# Altium PCB Lancelot.PcbDoc (part 6 of 14) (continued)
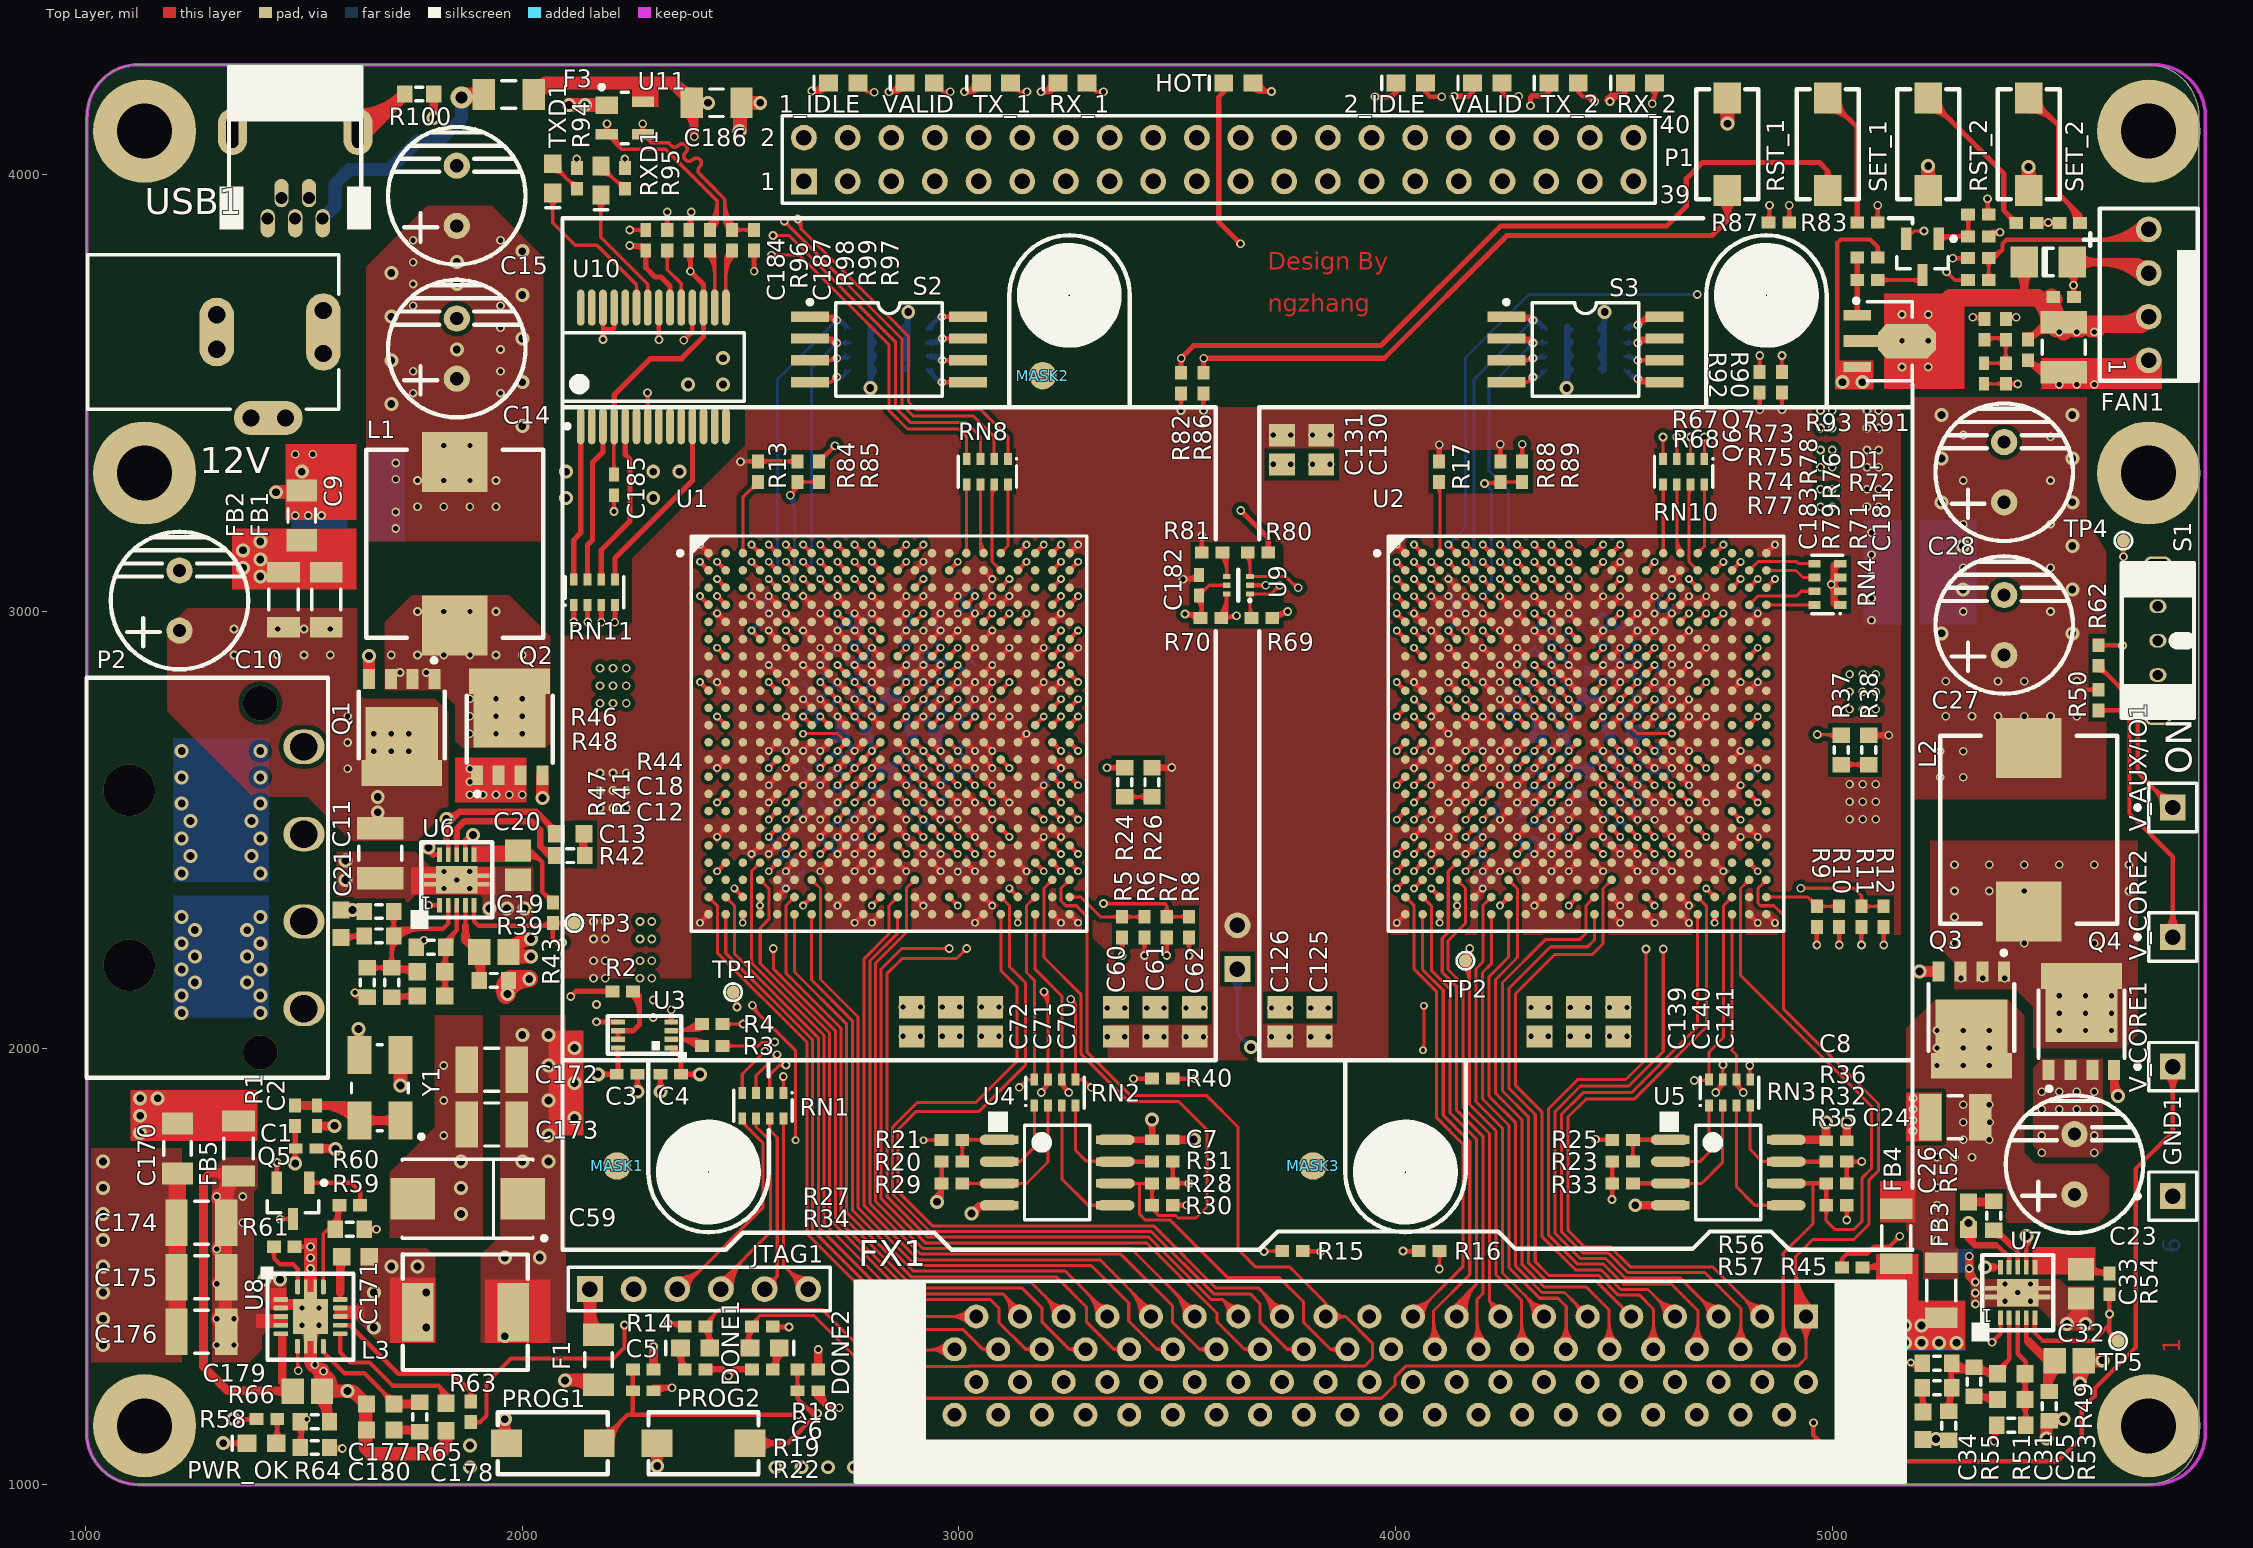
[diagram p0: Top Layer view]
## Nets (pads, with @x,y where several pads share a name; then routed paths per layer and width w, separated by ;. In a path a pad name is that pad's centre, name@x,y a point inside that pad or via, vN(x,y) a via of type N, cw(c..) or ccw(c..) an arc to the next point about the centre after c; other vN are vias at no path point) (continued)
cw(c2800.63,2824.45) 2807.46,2831.28 cw(c2814.29,2838.11) v1@2804.63,2838.11 ; v1(2800.63,2838.11) U1.J11@2820.32,2818.43 ; v1@2800.63,2873.48 cw(c2800.63,2863.82) 2807.46,2870.65 cw(c2814.29,2877.48) v1@2804.63,2877.48 ; v1(2800.63,2877.48) U1.H11@2820.32,2857.8 ; v1@2800.63,2912.85 cw(c2800.63,2903.19) 2807.46,2910.02 cw(c2814.29,2916.85) v1@2804.63,2916.85 ; v1(2800.63,2916.85) U1.G11@2820.32,2897.17 ; v1@2800.63,2991.59 cw(c2800.63,2981.93) 2807.46,2988.76 cw(c2814.29,2995.59) v1@2804.63,2995.59 ; v1(2800.63,2995.59) U1.E11@2820.32,2975.91 ; v1@2800.63,3030.96 cw(c2800.63,3021.3) 2807.46,3028.13 cw(c2814.29,3034.96) v1@2804.63,3034.96 ; v1(2800.63,3034.96) U1.D11@2820.32,3015.28 ; U1.AB11@2815.47,2306.61 cw(c2803.78,2306.61) 2812.05,2298.35 cw(c2820.32,2290.08) U1.AB11@2820.32,2301.77 ; U1.W11@2815.47,2424.72 cw(c2803.78,2424.72) 2812.05,2416.46 cw(c2820.32,2408.19) U1.W11@2820.32,2419.88 ; U1.V11@2815.47,2464.09 cw(c2803.78,2464.09) 2812.05,2455.83 cw(c2820.32,2447.56) U1.V11@2820.32,2459.25 ; U1.T11@2815.47,2542.83 cw(c2803.78,2542.83) 2812.05,2534.57 cw(c2820.32,2526.3) U1.T11@2820.32,2537.99 ; U1.R11@2815.47,2582.2 cw(c2803.78,2582.2) 2812.05,2573.94 cw(c2820.32,2565.67) U1.R11@2820.32,2577.36 ; U1.N11@2815.47,2660.95 cw(c2803.78,2660.95) 2812.05,2652.68 cw(c2820.32,2644.41) U1.N11@2820.32,2656.1 ; U1.L11@2815.47,2739.69 ccw(c2803.78,2739.69) 2812.05,2747.95 ccw(c2820.32,2756.22) U1.L11@2820.32,2744.53 ; U1.J11@2815.47,2818.43 ccw(c2803.78,2818.43) 2812.05,2826.69 ccw(c2820.32,2834.96) U1.J11@2820.32,2823.27 ; U1.H11@2815.47,2857.8 ccw(c2803.78,2857.8) 2812.05,2866.06 ccw(c2820.32,2874.33) U1.H11@2820.32,2862.64 ; U1.G11@2815.47,2897.17 ccw(c2803.78,2897.17) 2812.05,2905.43 ccw(c2820.32,2913.7) U1.G11@2820.32,2902.01 ; U1.E11@2815.47,2975.91 ccw(c2803.78,2975.91) 2812.05,2984.17 ccw(c2820.32,2992.44) U1.E11@2820.32,2980.75 ; U1.D11@2815.47,3015.28 ccw(c2803.78,3015.28) 2812.05,3023.54 ccw(c2820.32,3031.81) U1.D11@2820.32,3020.12 ; U1.W12@2859.69,2419.88 cw(c2859.69,2408.19) 2867.95,2416.46 cw(c2876.22,2424.72) U1.W12@2864.53,2424.72 ; U1.W12@2859.69,2424.72 v1(2879.37,2405.04) ; U1.U12@2859.69,2498.62 cw(c2859.69,2486.93) 2867.95,2495.2 cw(c2876.22,2503.46) U1.U12@2864.53,2503.46 ; U1.U12@2859.69,2503.46 v1(2879.37,2483.78) ; U1.T12@2859.69,2537.99 cw(c2859.69,2526.3) 2867.95,2534.57 cw(c2876.22,2542.83) U1.T12@2864.53,2542.83 ; U1.T12@2859.69,2542.83 v1(2879.37,2523.15) ; U1.P12@2859.69,2616.73 cw(c2859.69,2605.04) 2867.95,2613.31 cw(c2876.22,2621.57) U1.P12@2864.53,2621.57 ; U1.P12@2859.69,2621.57 v1(2879.37,2601.89) ; U1.M12@2859.69,2695.47 cw(c2859.69,2683.78) 2867.95,2692.05 cw(c2876.22,2700.32) U1.M12@2864.53,2700.32 ; U1.M12@2859.69,2700.32 v1(2879.37,2680.63) ; U1.K12@2859.69,2779.06 v1(2879.37,2798.74) ; U1.K12@2859.69,2783.9 ccw(c2859.69,2795.59) 2867.95,2787.32 ccw(c2876.22,2779.06) U1.K12@2864.53,2779.06 ; U1.H12@2859.69,2857.8 v1(2879.37,2877.48) ; U1.H12@2859.69,2862.64 ccw(c2859.69,2874.33) 2867.95,2866.06 ccw(c2876.22,2857.8) U1.H12@2864.53,2857.8 ; U1.F12@2859.69,2936.54 v1(2879.37,2956.22) ; U1.F12@2859.69,2941.38 ccw(c2859.69,2953.07) 2867.95,2944.8 ccw(c2876.22,2936.54) U1.F12@2864.53,2936.54 ; U1.E12@2859.69,2975.91 v1(2879.37,2995.59) ; U1.E12@2859.69,2980.75 ccw(c2859.69,2992.44) 2867.95,2984.17 ccw(c2876.22,2975.91) U1.E12@2864.53,2975.91 ; U1.D12@2859.69,3015.28 v1(2879.37,3034.96) ; U1.D12@2859.69,3020.12 ccw(c2859.69,3031.81) 2867.95,3023.54 ccw(c2876.22,3015.28) U1.D12@2864.53,3015.28 ; v1@2875.37,2405.04 ccw(c2865.71,2405.04) 2872.54,2411.87 ccw(c2879.37,2418.7) v1@2879.37,2409.04 ; v1@2875.37,2483.78 ccw(c2865.71,2483.78) 2872.54,2490.61 ccw(c2879.37,2497.44) v1@2879.37,2487.78 ; v1@2875.37,2523.15 ccw(c2865.71,2523.15) 2872.54,2529.98 ccw(c2879.37,2536.81) v1@2879.37,2527.15 ; v1@2875.37,2601.89 ccw(c2865.71,2601.89) 2872.54,2608.72 ccw(c2879.37,2615.55) v1@2879.37,2605.89 ; v1@2875.37,2680.63 ccw(c2865.71,2680.63) 2872.54,2687.46 ccw(c2879.37,2694.29) v1@2879.37,2684.63 ; v1@2875.37,2798.74 cw(c2865.71,2798.74) 2872.54,2791.91 cw(c2879.37,2785.08) v1@2879.37,2794.74 ; v1@2875.37,2877.48 cw(c2865.71,2877.48) 2872.54,2870.65 cw(c2879.37,2863.82) v1@2879.37,2873.48 ; v1@2875.37,2956.22 cw(c2865.71,2956.22) 2872.54,2949.39 cw(c2879.37,2942.56) v1@2879.37,2952.22 ; v1@2875.37,2995.59 cw(c2865.71,2995.59) 2872.54,2988.76 cw(c2879.37,2981.93) v1@2879.37,2991.59 ; v1@2875.37,3034.96 cw(c2865.71,3034.96) 2872.54,3028.13 cw(c2879.37,3021.3) v1@2879.37,3030.96 ; U1.AA13@2899.06,2341.14 cw(c2899.06,2329.45) 2907.32,2337.72 cw(c2915.59,2345.98) U1.AA13@2903.9,2345.98 ; U1.AA13@2899.06,2345.98 v1(2918.74,2326.3) ; U1.V13@2899.06,2459.25 cw(c2899.06,2447.56) 2907.32,2455.83 cw(c2915.59,2464.09) U1.V13@2903.9,2464.09 ; U1.V13@2899.06,2464.09 v1(2918.74,2444.41) ; U1.R13@2899.06,2577.36 cw(c2899.06,2565.67) 2907.32,2573.94 cw(c2915.59,2582.2) U1.R13@2903.9,2582.2 ; U1.R13@2899.06,2582.2 v1(2918.74,2562.52) ; U1.N13@2899.06,2656.1 cw(c2899.06,2644.41) 2907.32,2652.68 cw(c2915.59,2660.95) U1.N13@2903.9,2660.95 ; U1.N13@2899.06,2660.95 v1(2918.74,2641.26) ; U1.L13@2899.06,2739.69 v1(2918.74,2759.37) ; U1.L13@2899.06,2744.53 ccw(c2899.06,2756.22) 2907.32,2747.95 ccw(c2915.59,2739.69) U1.L13@2903.9,2739.69 ; U1.J13@2899.06,2818.43 v1(2918.74,2838.11) ; U1.J13@2899.06,2823.27 ccw(c2899.06,2834.96) 2907.32,2826.69 ccw(c2915.59,2818.43) U1.J13@2903.9,2818.43 ; U1.H13@2899.06,2857.8 v1(2918.74,2877.48) ; U1.H13@2899.06,2862.64 ccw(c2899.06,2874.33) 2907.32,2866.06 ccw(c2915.59,2857.8) U1.H13@2903.9,2857.8 ; U1.G13@2899.06,2897.17 v1(2918.74,2916.85) ; U1.G13@2899.06,2902.01 ccw(c2899.06,2913.7) 2907.32,2905.43 ccw(c2915.59,2897.17) U1.G13@2903.9,2897.17 ; U1.D13@2899.06,3015.28 v1(2918.74,3034.96) ; U1.D13@2899.06,3020.12 ccw(c2899.06,3031.81) 2907.32,3023.54 ccw(c2915.59,3015.28) U1.D13@2903.9,3015.28 ; U1.B13@2899.06,3094.02 v1(2918.74,3113.7) ; U1.B13@2899.06,3098.86 ccw(c2899.06,3110.55) 2907.32,3102.28 ccw(c2915.59,3094.02) U1.B13@2903.9,3094.02 ; v1@2914.74,2326.3 ccw(c2905.08,2326.3) 2911.91,2333.13 ccw(c2918.74,2339.96) v1@2918.74,2330.3 ; v1@2914.74,2444.41 ccw(c2905.08,2444.41) 2911.91,2451.24 ccw(c2918.74,2458.07) v1@2918.74,2448.41 ; v1@2914.74,2562.52 ccw(c2905.08,2562.52) 2911.91,2569.35 ccw(c2918.74,2576.18) v1@2918.74,2566.52 ; v1@2914.74,2641.26 ccw(c2905.08,2641.26) 2911.91,2648.09 ccw(c2918.74,2654.92) v1@2918.74,2645.26 ; v1@2914.74,2759.37 cw(c2905.08,2759.37) 2911.91,2752.54 cw(c2918.74,2745.71) v1@2918.74,2755.37 ; v1@2914.74,2838.11 cw(c2905.08,2838.11) 2911.91,2831.28 cw(c2918.74,2824.45) v1@2918.74,2834.11 ; v1@2914.74,2877.48 cw(c2905.08,2877.48) 2911.91,2870.65 cw(c2918.74,2863.82) v1@2918.74,2873.48 ; v1@2914.74,2916.85 cw(c2905.08,2916.85) 2911.91,2910.02 cw(c2918.74,2903.19) v1@2918.74,2912.85 ; v1@2914.74,3034.96 cw(c2905.08,3034.96) 2911.91,3028.13 cw(c2918.74,3021.3) v1@2918.74,3030.96 ; v1@2914.74,3113.7 cw(c2905.08,3113.7) 2911.91,3106.87 cw(c2918.74,3100.04) v1@2918.74,3109.7 ; U1.W14@2938.43,2419.88 cw(c2938.43,2408.19) 2946.69,2416.46 cw(c2954.96,2424.72) U1.W14@2943.27,2424.72 ; U1.W14@2938.43,2424.72 v1(2958.11,2405.04) ; U1.T14@2938.43,2537.99 cw(c2938.43,2526.3) 2946.69,2534.57 cw(c2954.96,2542.83) U1.T14@2943.27,2542.83 ; U1.T14@2938.43,2542.83 v1(2958.11,2523.15) ; U1.P14@2938.43,2616.73 cw(c2938.43,2605.04) 2946.69,2613.31 cw(c2954.96,2621.57) U1.P14@2943.27,2621.57 ; U1.P14@2938.43,2621.57 v1(2958.11,2601.89) ; U1.M14@2938.43,2695.47 cw(c2938.43,2683.78) 2946.69,2692.05 cw(c2954.96,2700.32) U1.M14@2943.27,2700.32 ; U1.M14@2938.43,2700.32 v1(2958.11,2680.63) ; U1.K14@2938.43,2779.06 v1(2958.11,2798.74) ; U1.K14@2938.43,2783.9 ccw(c2938.43,2795.59) 2946.69,2787.32 ccw(c2954.96,2779.06) U1.K14@2943.27,2779.06 ; U1.H14@2938.43,2857.8 v1(2958.11,2877.48) ; U1.H14@2938.43,2862.64 ccw(c2938.43,2874.33) 2946.69,2866.06 ccw(c2954.96,2857.8) U1.H14@2943.27,2857.8 ; U1.F14@2938.43,2936.54 v1(2958.11,2956.22) ; U1.F14@2938.43,2941.38 ccw(c2938.43,2953.07) 2946.69,2944.8 ccw(c2954.96,2936.54) U1.F14@2943.27,2936.54 ; U1.E14@2938.43,2975.91 v1(2958.11,2995.59) ; U1.E14@2938.43,2980.75 ccw(c2938.43,2992.44) 2946.69,2984.17 ccw(c2954.96,2975.91) U1.E14@2943.27,2975.91 ; v1@2954.11,2405.04 ccw(c2944.45,2405.04) 2951.28,2411.87 ccw(c2958.11,2418.7) v1@2958.11,2409.04 ; v1@2954.11,2523.15 ccw(c2944.45,2523.15) 2951.28,2529.98 ccw(c2958.11,2536.81) v1@2958.11,2527.15 ; v1@2954.11,2601.89 ccw(c2944.45,2601.89) 2951.28,2608.72 ccw(c2958.11,2615.55) v1@2958.11,2605.89 ; v1@2954.11,2680.63 ccw(c2944.45,2680.63) 2951.28,2687.46 ccw(c2958.11,2694.29) v1@2958.11,2684.63 ; v1@2954.11,2798.74 cw(c2944.45,2798.74) 2951.28,2791.91 cw(c2958.11,2785.08) v1@2958.11,2794.74 ; v1@2954.11,2877.48 cw(c2944.45,2877.48) 2951.28,2870.65 cw(c2958.11,2863.82) v1@2958.11,2873.48 ; v1@2954.11,2956.22 cw(c2944.45,2956.22) 2951.28,2949.39 cw(c2958.11,2942.56) v1@2958.11,2952.22 ; v1@2954.11,2995.59 cw(c2944.45,2995.59) 2951.28,2988.76 cw(c2958.11,2981.93) v1@2958.11,2991.59 ; U1.T15@2977.8,2537.99 cw(c2977.8,2526.3) 2986.06,2534.57 cw(c2994.33,2542.83) U1.T15@2982.64,2542.83 ; U1.T15@2977.8,2542.83 v1(2997.48,2523.15) ; U1.R15@2977.8,2577.36 cw(c2977.8,2565.67) 2986.06,2573.94 cw(c2994.33,2582.2) U1.R15@2982.64,2582.2 ; U1.R15@2977.8,2582.2 v1(2997.48,2562.52) ; U1.N15@2977.8,2656.1 cw(c2977.8,2644.41) 2986.06,2652.68 cw(c2994.33,2660.95) U1.N15@2982.64,2660.95 ; U1.N15@2977.8,2660.95 v1(2997.48,2641.26) ; U1.L15@2977.8,2739.69 v1(2997.48,2759.37) ; U1.L15@2977.8,2744.53 ccw(c2977.8,2756.22) 2986.06,2747.95 ccw(c2994.33,2739.69) U1.L15@2982.64,2739.69 ; U1.J15@2977.8,2818.43 v1(2997.48,2838.11) ; U1.J15@2977.8,2823.27 ccw(c2977.8,2834.96) 2986.06,2826.69 ccw(c2994.33,2818.43) U1.J15@2982.64,2818.43 ; U1.F15@2977.8,2936.54 v1(2997.48,2956.22) ; U1.F15@2977.8,2941.38 ccw(c2977.8,2953.07) 2986.06,2944.8 ccw(c2994.33,2936.54) U1.F15@2982.64,2936.54 ; U1.D15@2977.8,3015.28 v1(2997.48,3034.96) ; U1.D15@2977.8,3020.12 ccw(c2977.8,3031.81) 2986.06,3023.54 ccw(c2994.33,3015.28) U1.D15@2982.64,3015.28 ; v1@2993.48,2523.15 ccw(c2983.82,2523.15) 2990.65,2529.98 ccw(c2997.48,2536.81) v1@2997.48,2527.15 ; v1@2993.48,2562.52 ccw(c2983.82,2562.52) 2990.65,2569.35 ccw(c2997.48,2576.18) v1@2997.48,2566.52 ; v1@2993.48,2641.26 ccw(c2983.82,2641.26) 2990.65,2648.09 ccw(c2997.48,2654.92) v1@2997.48,2645.26 ; v1@2993.48,2759.37 cw(c2983.82,2759.37) 2990.65,2752.54 cw(c2997.48,2745.71) v1@2997.48,2755.37 ; v1@2993.48,2838.11 cw(c2983.82,2838.11) 2990.65,2831.28 cw(c2997.48,2824.45) v1@2997.48,2834.11 ; v1@2993.48,2956.22 cw(c2983.82,2956.22) 2990.65,2949.39 cw(c2997.48,2942.56) v1@2997.48,2952.22 ; v1@2993.48,3034.96 cw(c2983.82,3034.96) 2990.65,3028.13 cw(c2997.48,3021.3) v1@2997.48,3030.96 ; U1.W16@3017.17,2419.88 cw(c3017.17,2408.19) 3025.43,2416.46 cw(c3033.7,2424.72) U1.W16@3022.01,2424.72 ; U1.W16@3017.17,2424.72 v1(3036.85,2405.04) ; U1.U16@3017.17,2498.62 cw(c3017.17,2486.93) 3025.43,2495.2 cw(c3033.7,2503.46) U1.U16@3022.01,2503.46 ; U1.U16@3017.17,2503.46 v1(3036.85,2483.78) ; U1.R16@3017.17,2577.36 cw(c3017.17,2565.67) 3025.43,2573.94 cw(c3033.7,2582.2) U1.R16@3022.01,2582.2 ; U1.R16@3017.17,2582.2 v1(3036.85,2562.52) ; U1.N16@3017.17,2656.1 cw(c3017.17,2644.41) 3025.43,2652.68 cw(c3033.7,2660.95) U1.N16@3022.01,2660.95 ; U1.N16@3017.17,2660.95 v1(3036.85,2641.26) ; U1.M16@3017.17,2695.47 cw(c3017.17,2683.78) 3025.43,2692.05 cw(c3033.7,2700.32) U1.M16@3022.01,2700.32 ; U1.M16@3017.17,2700.32 v1(3036.85,2680.63) ; U1.K16@3017.17,2779.06 v1(3036.85,2798.74) ; U1.K16@3017.17,2783.9 ccw(c3017.17,2795.59) 3025.43,2787.32 ccw(c3033.7,2779.06) U1.K16@3022.01,2779.06 ; U1.J16@3017.17,2818.43 v1(3036.85,2838.11) ; U1.J16@3017.17,2823.27 ccw(c3017.17,2834.96) 3025.43,2826.69 ccw(c3033.7,2818.43) U1.J16@3022.01,2818.43 ; U1.G16@3017.17,2897.17 v1(3036.85,2916.85) ; U1.G16@3017.17,2902.01 ccw(c3017.17,2913.7) 3025.43,2905.43 ccw(c3033.7,2897.17) U1.G16@3022.01,2897.17 ; U1.E16@3017.17,2975.91 v1(3036.85,2995.59) ; U1.E16@3017.17,2980.75 ccw(c3017.17,2992.44) 3025.43,2984.17 ccw(c3033.7,2975.91) U1.E16@3022.01,2975.91 ; v1@3032.85,2405.04 ccw(c3023.19,2405.04) 3030.02,2411.87 ccw(c3036.85,2418.7) v1@3036.85,2409.04 ; v1@3032.85,2483.78 ccw(c3023.19,2483.78) 3030.02,2490.61 ccw(c3036.85,2497.44) v1@3036.85,2487.78 ; v1@3032.85,2562.52 ccw(c3023.19,2562.52) 3030.02,2569.35 ccw(c3036.85,2576.18) v1@3036.85,2566.52 ; v1@3032.85,2641.26 ccw(c3023.19,2641.26) 3030.02,2648.09 ccw(c3036.85,2654.92) v1@3036.85,2645.26 ; v1@3032.85,2680.63 ccw(c3023.19,2680.63) 3030.02,2687.46 ccw(c3036.85,2694.29) v1@3036.85,2684.63 ; v1@3032.85,2798.74 cw(c3023.19,2798.74) 3030.02,2791.91 cw(c3036.85,2785.08) v1@3036.85,2794.74 ; v1@3032.85,2838.11 cw(c3023.19,2838.11) 3030.02,2831.28 cw(c3036.85,2824.45) v1@3036.85,2834.11 ; v1@3032.85,2916.85 cw(c3023.19,2916.85) 3030.02,2910.02 cw(c3036.85,2903.19) v1@3036.85,2912.85 ; v1@3032.85,2995.59 cw(c3023.19,2995.59) 3030.02,2988.76 cw(c3036.85,2981.93) v1@3036.85,2991.59 ; v1(3036.85,2286.93) U1.AB17@3056.54,2306.61 ; v1@3036.85,2290.93 ccw(c3036.85,2300.59) 3043.68,2293.76 ccw(c3050.51,2286.93) v1@3040.85,2286.93 ; U1.AB17@3051.69,2306.61 cw(c3040,2306.61) 3048.27,2298.35 cw(c3056.54,2290.08) U1.AB17@3056.54,2301.77 ; U1.AA17@3056.54,2341.14 cw(c3056.54,2329.45) 3064.8,2337.72 cw(c3073.07,2345.98) U1.AA17@3061.38,2345.98 ; U1.AA17@3056.54,2345.98 v1(3076.22,2326.3) ; U1.V17@3056.54,2459.25 cw(c3056.54,2447.56) 3064.8,2455.83 cw(c3073.07,2464.09) U1.V17@3061.38,2464.09 ; U1.V17@3056.54,2464.09 v1(3076.22,2444.41) ; U1.T17@3056.54,2537.99 cw(c3056.54,2526.3) 3064.8,2534.57 cw(c3073.07,2542.83) U1.T17@3061.38,2542.83 ; U1.T17@3056.54,2542.83 v1(3076.22,2523.15) ; U1.P17@3056.54,2616.73 cw(c3056.54,2605.04) 3064.8,2613.31 cw(c3073.07,2621.57) U1.P17@3061.38,2621.57 ; U1.P17@3056.54,2621.57 v1(3076.22,2601.89) ; U1.N17@3056.54,2656.1 cw(c3056.54,2644.41) 3064.8,2652.68 cw(c3073.07,2660.95) U1.N17@3061.38,2660.95 ; U1.N17@3056.54,2660.95 v1(3076.22,2641.26) ; U1.M17@3056.54,2695.47 cw(c3056.54,2683.78) 3064.8,2692.05 cw(c3073.07,2700.32) U1.M17@3061.38,2700.32 ; U1.M17@3056.54,2700.32 v1(3076.22,2680.63) ; U1.L17@3056.54,2739.69 v1(3076.22,2759.37) ; U1.L17@3056.54,2744.53 ccw(c3056.54,2756.22) 3064.8,2747.95 ccw(c3073.07,2739.69) U1.L17@3061.38,2739.69 ; U1.K17@3056.54,2779.06 v1(3076.22,2798.74) ; U1.K17@3056.54,2783.9 ccw(c3056.54,2795.59) 3064.8,2787.32 ccw(c3073.07,2779.06) U1.K17@3061.38,2779.06 ; U1.J17@3056.54,2818.43 v1(3076.22,2838.11) ; U1.J17@3056.54,2823.27 ccw(c3056.54,2834.96) 3064.8,2826.69 ccw(c3073.07,2818.43) U1.J17@3061.38,2818.43 ; U1.H17@3056.54,2857.8 v1(3076.22,2877.48) ; U1.H17@3056.54,2862.64 ccw(c3056.54,2874.33) 3064.8,2866.06 ccw(c3073.07,2857.8) U1.H17@3061.38,2857.8 ; U1.F17@3056.54,2936.54 v1(3076.22,2956.22) ; U1.F17@3056.54,2941.38 ccw(c3056.54,2953.07) 3064.8,2944.8 ccw(c3073.07,2936.54) U1.F17@3061.38,2936.54 ; U1.D17@3056.54,3015.28 v1(3076.22,3034.96) ; U1.D17@3056.54,3020.12 ccw(c3056.54,3031.81) 3064.8,3023.54 ccw(c3073.07,3015.28) U1.D17@3061.38,3015.28 ; U1.B17@3056.54,3089.17 cw(c3056.54,3077.48) 3064.8,3085.75 cw(c3073.07,3094.02) U1.B17@3061.38,3094.02 ; U1.B17@3056.54,3094.02 v1(3076.22,3074.33) ; v1@3072.22,2326.3 ccw(c3062.56,2326.3) 3069.39,2333.13 ccw(c3076.22,2339.96) v1@3076.22,2330.3 ; v1@3072.22,2444.41 ccw(c3062.56,2444.41) 3069.39,2451.24 ccw(c3076.22,2458.07) v1@3076.22,2448.41 ; v1@3072.22,2523.15 ccw(c3062.56,2523.15) 3069.39,2529.98 ccw(c3076.22,2536.81) v1@3076.22,2527.15 ; v1@3072.22,2601.89 ccw(c3062.56,2601.89) 3069.39,2608.72 ccw(c3076.22,2615.55) v1@3076.22,2605.89 ; v1@3072.22,2641.26 ccw(c3062.56,2641.26) 3069.39,2648.09 ccw(c3076.22,2654.92) v1@3076.22,2645.26 ; v1@3072.22,2680.63 ccw(c3062.56,2680.63) 3069.39,2687.46 ccw(c3076.22,2694.29) v1@3076.22,2684.63 ; v1@3072.22,2759.37 cw(c3062.56,2759.37) 3069.39,2752.54 cw(c3076.22,2745.71) v1@3076.22,2755.37 ; v1@3072.22,2798.74 cw(c3062.56,2798.74) 3069.39,2791.91 cw(c3076.22,2785.08) v1@3076.22,2794.74 ; v1@3072.22,2838.11 cw(c3062.56,2838.11) 3069.39,2831.28 cw(c3076.22,2824.45) v1@3076.22,2834.11 ; v1@3072.22,2877.48 cw(c3062.56,2877.48) 3069.39,2870.65 cw(c3076.22,2863.82) v1@3076.22,2873.48 ; v1@3072.22,2956.22 cw(c3062.56,2956.22) 3069.39,2949.39 cw(c3076.22,2942.56) v1@3076.22,2952.22 ; v1@3072.22,3034.96 cw(c3062.56,3034.96) 3069.39,3028.13 cw(c3076.22,3021.3) v1@3076.22,3030.96 ; v1@3072.22,3074.33 ccw(c3062.56,3074.33) 3069.39,3081.16 ccw(c3076.22,3087.99) v1@3076.22,3078.33 ; U1.R18@3095.91,2577.36 cw(c3095.91,2565.67) 3104.17,2573.94 cw(c3112.44,2582.2) U1.R18@3100.75,2582.2 ; U1.R18@3095.91,2582.2 v1(3115.59,2562.52) ; U1.L18@3095.91,2739.69 v1(3115.59,2759.37) ; U1.L18@3095.91,2744.53 ccw(c3095.91,2756.22) 3104.17,2747.95 ccw(c3112.44,2739.69) U1.L18@3100.75,2739.69 ; U1.G18@3095.91,2897.17 v1(3115.59,2916.85) ; U1.G18@3095.91,2902.01 ccw(c3095.91,2913.7) 3104.17,2905.43 ccw(c3112.44,2897.17) U1.G18@3100.75,2897.17 ; U1.D18@3095.91,3015.28 v1(3115.59,3034.96) ; U1.D18@3095.91,3020.12 ccw(c3095.91,3031.81) 3104.17,3023.54 ccw(c3112.44,3015.28) U1.D18@3100.75,3015.28 ; v1@3111.59,2562.52 ccw(c3101.93,2562.52) 3108.76,2569.35 ccw(c3115.59,2576.18) v1@3115.59,2566.52 ; v1@3111.59,2759.37 cw(c3101.93,2759.37) 3108.76,2752.54 cw(c3115.59,2745.71) v1@3115.59,2755.37 ; v1@3111.59,2916.85 cw(c3101.93,2916.85) 3108.76,2910.02 cw(c3115.59,2903.19) v1@3115.59,2912.85 ; v1@3111.59,3034.96 cw(c3101.93,3034.96) 3108.76,3028.13 cw(c3115.59,3021.3) v1@3115.59,3030.96 ; U1.W19@3135.28,2419.88 cw(c3135.28,2408.19) 3143.54,2416.46 cw(c3151.81,2424.72) U1.W19@3140.12,2424.72 ; U1.W19@3135.28,2424.72 v1(3154.96,2405.04) ; U1.M19@3135.28,2700.32 v1(3154.96,2720) ; U1.M19@3135.28,2705.16 ccw(c3135.28,2716.85) 3143.54,2708.58 ccw(c3151.81,2700.32) U1.M19@3140.12,2700.32 ; v1@3150.96,2405.04 ccw(c3141.3,2405.04) 3148.13,2411.87 ccw(c3154.96,2418.7) v1@3154.96,2409.04 ; v1@3150.96,2720 cw(c3141.3,2720) 3148.13,2713.17 cw(c3154.96,2706.34) v1@3154.96,2716 ; U1.V20@3174.65,2464.09 v1(3194.33,2483.78) ; U1.V20@3174.65,2468.94 ccw(c3174.65,2480.63) 3182.91,2472.36 ccw(c3191.18,2464.09) U1.V20@3179.49,2464.09 ; U1.R20@3174.65,2582.2 v1(3194.33,2601.89) ; U1.R20@3174.65,2587.05 ccw(c3174.65,2598.74) 3182.91,2590.47 ccw(c3191.18,2582.2) U1.R20@3179.49,2582.2 ; U1.J20@3174.65,2818.43 v1(3194.33,2838.11) ; U1.J20@3174.65,2823.27 ccw(c3174.65,2834.96) 3182.91,2826.69 ccw(c3191.18,2818.43) U1.J20@3179.49,2818.43 ; U1.G20@3174.65,2897.17 v1(3194.33,2916.85) ; U1.G20@3174.65,2902.01 ccw(c3174.65,2913.7) 3182.91,2905.43 ccw(c3191.18,2897.17) U1.G20@3179.49,2897.17 ; v1@3190.33,2483.78 cw(c3180.67,2483.78) 3187.5,2476.95 cw(c3194.33,2470.12) v1@3194.33,2479.78 ; v1@3190.33,2601.89 cw(c3180.67,2601.89) 3187.5,2595.06 cw(c3194.33,2588.23) v1@3194.33,2597.89 ; v1@3190.33,2838.11 cw(c3180.67,2838.11) 3187.5,2831.28 cw(c3194.33,2824.45) v1@3194.33,2834.11 ; v1@3190.33,2916.85 cw(c3180.67,2916.85) 3187.5,2910.02 cw(c3194.33,2903.19) v1@3194.33,2912.85 ; U1.AB21@3214.02,2301.77 cw(c3214.02,2290.08) 3222.28,2298.35 cw(c3230.55,2306.61) U1.AB21@3218.86,2306.61 ; U1.AB21@3214.02,2306.61 v1(3233.7,2286.93) ; U1.U21@3214.02,2498.62 cw(c3214.02,2486.93) 3222.28,2495.2 cw(c3230.55,2503.46) U1.U21@3218.86,2503.46 ; U1.U21@3214.02,2503.46 v1(3233.7,2483.78) ; U1.N21@3214.02,2656.1 cw(c3214.02,2644.41) 3222.28,2652.68 cw(c3230.55,2660.95) U1.N21@3218.86,2660.95 ; U1.N21@3214.02,2660.95 v1(3233.7,2641.26) ; U1.J21@3214.02,2818.43 v1(3233.7,2838.11) ; U1.J21@3214.02,2823.27 ccw(c3214.02,2834.96) 3222.28,2826.69 ccw(c3230.55,2818.43) U1.J21@3218.86,2818.43 ; U1.E21@3214.02,2975.91 v1(3233.7,2995.59) ; U1.E21@3214.02,2980.75 ccw(c3214.02,2992.44) 3222.28,2984.17 ccw(c3230.55,2975.91) U1.E21@3218.86,2975.91 ; v1@3229.7,2286.93 ccw(c3220.04,2286.93) 3226.87,2293.76 ccw(c3233.7,2300.59) v1@3233.7,2290.93 ; v1@3229.7,2483.78 ccw(c3220.04,2483.78) 3226.87,2490.61 ccw(c3233.7,2497.44) v1@3233.7,2487.78 ; v1@3229.7,2641.26 ccw(c3220.04,2641.26) 3226.87,2648.09 ccw(c3233.7,2654.92) v1@3233.7,2645.26 ; v1@3229.7,2838.11 cw(c3220.04,2838.11) 3226.87,2831.28 cw(c3233.7,2824.45) v1@3233.7,2834.11 ; v1@3229.7,2995.59 cw(c3220.04,2995.59) 3226.87,2988.76 cw(c3233.7,2981.93) v1@3233.7,2991.59 ; U1.AB22@3253.39,2301.77 cw(c3253.39,2290.08) 3261.65,2298.35 cw(c3269.92,2306.61) U1.AB22@3258.23,2306.61 ; U1.AB22@3253.39,2306.61 v1(3273.07,2286.93) ; U1.G22@3253.39,2897.17 v1(3273.07,2916.85) ; U1.G22@3253.39,2902.01 ccw(c3253.39,2913.7) 3261.65,2905.43 ccw(c3269.92,2897.17) U1.G22@3258.23,2897.17 ; U1.A22@3253.39,3133.39 v1(3273.07,3153.07) ; U1.A22@3253.39,3138.23 ccw(c3253.39,3149.92) 3261.65,3141.65 ccw(c3269.92,3133.39) U1.A22@3258.23,3133.39 ; v1@3269.07,2286.93 ccw(c3259.41,2286.93) 3266.24,2293.76 ccw(c3273.07,2300.59) v1@3273.07,2290.93 ; v1@3269.07,2916.85 cw(c3259.41,2916.85) 3266.24,2910.02 cw(c3273.07,2903.19) v1@3273.07,2912.85 ; v1@3269.07,3153.07 cw(c3259.41,3153.07) 3266.24,3146.24 cw(c3273.07,3139.41) v1@3273.07,3149.07 ; R6.1@3418.79,2245.2 cw(c3403.8,2230.21) 3425,2230.21 cw(c3446.2,2230.21) R6.1@3431.21,2245.2 ; v2@3421.46,2215.54 ccw(c3412.93,2224.07) 3425,2224.07 ccw(c3437.07,2224.07) v2@3428.54,2215.54 ; v2(3425,2212) R6.1@3425,2253.38 ; R30.2@3489.62,1640 v2(3522,1640) ; R30.2@3497.8,1633.79 cw(c3512.79,1618.8) 3512.79,1640 cw(c3512.79,1661.2) R30.2@3497.8,1646.21 ; R82.2@3502.6,3491.2 cw(c3487.62,3476.21) 3508.81,3476.21 cw(c3530.01,3476.21) R82.2@3515.02,3491.2 ; v2@3505.28,3463.54 ccw(c3496.74,3472.07) 3508.81,3472.07 ccw(c3520.88,3472.07) v2@3512.35,3463.54 ; 3506.18,1638.23 cw(c3510.18,1623.29) v2@3519.11,1635.92 ; 3506.18,1641.77 ccw(c3510.18,1656.71) v2@3519.11,1644.08 ; v2(3508.81,3460) R82.2@3508.81,3499.38 ; v2(3513,3074) 3540.38,3074 C182.2@3550,3083.62 ; v2@3515.5,3078.33 ccw(c3524.55,3094.01) 3529.24,3076.52 ; v2@3516.54,3070.46 cw(c3525.07,3061.93) 3525.07,3074 cw(c3525.07,3086.07) v2@3516.54,3077.54 ; v2@3518.46,1636.46 ccw(c3509.93,1627.93) 3509.93,1640 ccw(c3509.93,1652.07) v2@3518.46,1643.54 ; v2@3519.83,3074 ccw(c3519.83,3109.85) C182.2@3545.18,3084.5 ; R8.1@3520.79,2245.2 cw(c3505.8,2230.21) 3527,2230.21 cw(c3548.2,2230.21) R8.1@3533.21,2245.2 ; v2@3523.46,2215.54 ccw(c3514.93,2224.07) 3527,2224.07 ccw(c3539.07,2224.07) v2@3530.54,2215.54 ; v2(3527,2212) R8.1@3527,2253.38 ; R81.2@3550.17,3141.21 ccw(c3535.18,3156.2) 3556.38,3156.2 ccw(c3577.57,3156.2) R81.2@3562.59,3141.21 ; v2@3552.84,3169.09 cw(c3544.31,3160.55) 3556.38,3160.55 cw(c3568.45,3160.55) v2@3559.91,3169.09 ; R86.2@3553.79,3491.2 cw(c3538.8,3476.21) 3560,3476.21 cw(c3581.2,3476.21) R86.2@3566.21,3491.2 ; R81.2@3556.38,3135 v2(3556.38,3172.62) ; v2@3556.46,3463.54 ccw(c3547.93,3472.07) 3560,3472.07 ccw(c3572.07,3472.07) v2@3563.54,3463.54 ; v2(3560,3460) R86.2@3560,3499.38 ; U9.2@3666.57,3060 v2(3703,3060) ; v2@3699.46,3056.46 ccw(c3690.93,3047.93) 3690.93,3060 ccw(c3690.93,3072.07) v2@3699.46,3063.54 ; v1(4002.92,2286.86) U2.AB1@4022.61,2306.54 ; v1@4002.92,2290.86 ccw(c4002.92,2300.51) 4009.75,2293.69 ccw(c4016.58,2286.86) v1@4006.92,2286.86 ; v1@4002.92,3149 cw(c4002.92,3139.34) 4009.75,3146.17 cw(c4016.58,3153) v1@4006.92,3153 ; v1(4002.92,3153) U2.A1@4022.61,3133.32 ; U2.AB1@4017.76,2306.54 cw(c4006.07,2306.54) 4014.34,2298.28 cw(c4022.61,2290.01) U2.AB1@4022.61,2301.7 ; U2.A1@4017.76,3133.32 ccw(c4006.07,3133.32) 4014.34,3141.58 ccw(c4022.61,3149.85) U2.A1@4022.61,3138.16 ; v1(4042.29,2483.71) U2.U2@4061.98,2503.39 ; v1@4042.29,2487.71 ccw(c4042.29,2497.36) 4049.12,2490.54 ccw(c4055.95,2483.71) v1@4046.29,2483.71 ; v1(4042.29,2641.19) U2.N2@4061.98,2660.87 ; v1@4042.29,2645.19 ccw(c4042.29,2654.84) 4049.12,2648.02 ccw(c4055.95,2641.19) v1@4046.29,2641.19 ; v1@4042.29,2834.04 cw(c4042.29,2824.38) 4049.12,2831.21 cw(c4055.95,2838.04) v1@4046.29,2838.04 ; v1(4042.29,2838.04) U2.J2@4061.98,2818.35 ; v1@4042.29,2991.52 cw(c4042.29,2981.86) 4049.12,2988.69 cw(c4055.95,2995.52) v1@4046.29,2995.52 ; v1(4042.29,2995.52) U2.E2@4061.98,2975.83 ; U2.U2@4057.13,2503.39 cw(c4045.44,2503.39) 4053.71,2495.13 cw(c4061.98,2486.86) U2.U2@4061.98,2498.55 ; U2.N2@4057.13,2660.87 cw(c4045.44,2660.87) 4053.71,2652.61 cw(c4061.98,2644.34) U2.N2@4061.98,2656.03 ; U2.J2@4057.13,2818.35 ccw(c4045.44,2818.35) 4053.71,2826.62 ccw(c4061.98,2834.89) U2.J2@4061.98,2823.2 ; U2.E2@4057.13,2975.83 ccw(c4045.44,2975.83) 4053.71,2984.1 ccw(c4061.98,2992.37) U2.E2@4061.98,2980.68 ; v1(4081.66,2444.34) U2.V3@4101.35,2464.02 ; v1@4081.66,2448.34 ccw(c4081.66,2457.99) 4088.49,2451.17 ccw(c4095.32,2444.34) v1@4085.66,2444.34 ; v1(4081.66,2523.08) U2.T3@4101.35,2542.76 ; v1@4081.66,2527.08 ccw(c4081.66,2536.73) 4088.49,2529.91 ccw(c4095.32,2523.08) v1@4085.66,2523.08 ; v1(4081.66,2601.82) U2.P3@4101.35,2621.5 ; v1@4081.66,2605.82 ccw(c4081.66,2615.47) 4088.49,2608.65 ccw(c4095.32,2601.82) v1@4085.66,2601.82 ; v1(4081.66,2680.56) U2.M3@4101.35,2700.24 ; v1@4081.66,2684.56 ccw(c4081.66,2694.22) 4088.49,2687.39 ccw(c4095.32,2680.56) v1@4085.66,2680.56 ; v1(4081.66,2759.3) U2.K3@4101.35,2778.98 ; v1@4081.66,2763.3 ccw(c4081.66,2772.96) 4088.49,2766.13 ccw(c4095.32,2759.3) v1@4085.66,2759.3 ; v1@4081.66,2952.15 cw(c4081.66,2942.49) 4088.49,2949.32 cw(c4095.32,2956.15) v1@4085.66,2956.15 ; v1(4081.66,2956.15) U2.F3@4101.35,2936.46 ; v1@4081.66,3030.89 cw(c4081.66,3021.23) 4088.49,3028.06 cw(c4095.32,3034.89) v1@4085.66,3034.89 ; v1(4081.66,3034.89) U2.D3@4101.35,3015.2 ; U2.V3@4096.5,2464.02 cw(c4084.81,2464.02) 4093.08,2455.76 cw(c4101.35,2447.49) U2.V3@4101.35,2459.18 ; U2.T3@4096.5,2542.76 cw(c4084.81,2542.76) 4093.08,2534.5 cw(c4101.35,2526.23) U2.T3@4101.35,2537.92 ; U2.P3@4096.5,2621.5 cw(c4084.81,2621.5) 4093.08,2613.24 cw(c4101.35,2604.97) U2.P3@4101.35,2616.66 ; U2.M3@4096.5,2700.24 cw(c4084.81,2700.24) 4093.08,2691.98 cw(c4101.35,2683.71) U2.M3@4101.35,2695.4 ; U2.K3@4096.5,2778.98 cw(c4084.81,2778.98) 4093.08,2770.72 cw(c4101.35,2762.45) U2.K3@4101.35,2774.14 ; U2.F3@4096.5,2936.46 ccw(c4084.81,2936.46) 4093.08,2944.73 ccw(c4101.35,2953) U2.F3@4101.35,2941.31 ; U2.D3@4096.5,3015.2 ccw(c4084.81,3015.2) 4093.08,3023.47 ccw(c4101.35,3031.74) U2.D3@4101.35,3020.05 ; U2.L3@4101.35,2734.77 cw(c4101.35,2723.08) 4109.61,2731.35 cw(c4117.88,2739.61) U2.L3@4106.19,2739.61 ; U2.L3@4101.35,2739.61 v1(4121.03,2719.93) ; v1@4117.03,2719.93 ccw(c4107.38,2719.93) 4114.2,2726.76 ccw(c4121.03,2733.59) v1@4121.03,2723.93 ; v1(4121.03,2483.71) U2.U4@4140.72,2503.39 ; v1@4121.03,2487.71 ccw(c4121.03,2497.36) 4127.86,2490.54 ccw(c4134.69,2483.71) v1@4125.03,2483.71 ; v1(4121.03,2562.45) U2.R4@4140.72,2582.13 ; v1@4121.03,2566.45 ccw(c4121.03,2576.1) 4127.86,2569.28 ccw(c4134.69,2562.45) v1@4125.03,2562.45 ; v1(4121.03,2641.19) U2.N4@4140.72,2660.87 ; v1@4121.03,2645.19 ccw(c4121.03,2654.84) 4127.86,2648.02 ccw(c4134.69,2641.19) v1@4125.03,2641.19 ; v1@4121.03,2834.04 cw(c4121.03,2824.38) 4127.86,2831.21 cw(c4134.69,2838.04) v1@4125.03,2838.04 ; v1(4121.03,2838.04) U2.J4@4140.72,2818.35 ; v1@4121.03,2912.78 cw(c4121.03,2903.12) 4127.86,2909.95 cw(c4134.69,2916.78) v1@4125.03,2916.78 ; v1(4121.03,2916.78) U2.G4@4140.72,2897.09 ; v1@4121.03,2991.52 cw(c4121.03,2981.86) 4127.86,2988.69 cw(c4134.69,2995.52) v1@4125.03,2995.52 ; v1(4121.03,2995.52) U2.E4@4140.72,2975.83 ; v1@4121.03,3070.26 cw(c4121.03,3060.6) 4127.86,3067.43 cw(c4134.69,3074.26) v1@4125.03,3074.26 ; v1(4121.03,3074.26) U2.C4@4140.72,3054.57 ; U2.U4@4135.87,2503.39 cw(c4124.18,2503.39) 4132.45,2495.13 cw(c4140.72,2486.86) U2.U4@4140.72,2498.55 ; U2.R4@4135.87,2582.13 cw(c4124.18,2582.13) 4132.45,2573.87 cw(c4140.72,2565.6) U2.R4@4140.72,2577.29 ; U2.N4@4135.87,2660.87 cw(c4124.18,2660.87) 4132.45,2652.61 cw(c4140.72,2644.34) U2.N4@4140.72,2656.03 ; U2.J4@4135.87,2818.35 ccw(c4124.18,2818.35) 4132.45,2826.62 ccw(c4140.72,2834.89) U2.J4@4140.72,2823.2 ; U2.G4@4135.87,2897.09 ccw(c4124.18,2897.09) 4132.45,2905.36 ccw(c4140.72,2913.63) U2.G4@4140.72,2901.94 ; U2.E4@4135.87,2975.83 ccw(c4124.18,2975.83) 4132.45,2984.1 ccw(c4140.72,2992.37) U2.E4@4140.72,2980.68 ; U2.C4@4135.87,3054.57 ccw(c4124.18,3054.57) 4132.45,3062.84 ccw(c4140.72,3071.11) U2.C4@4140.72,3059.42